# Altium PCB PCB2.PcbDoc (part 1 of 2)
Units mm, origin at the board's own origin, x right, y up, seen from the top; angles counter-clockwise.
Board outline 110 x 70 mm, 4 copper layers (Top Layer, Int1 (GND), Int2 (PWR), Bottom Layer), stack 1.586 mm thick; 125 components, 172 nets, 577 pads, 549 vias.
Unrouted connection lines stored in the file: 12.
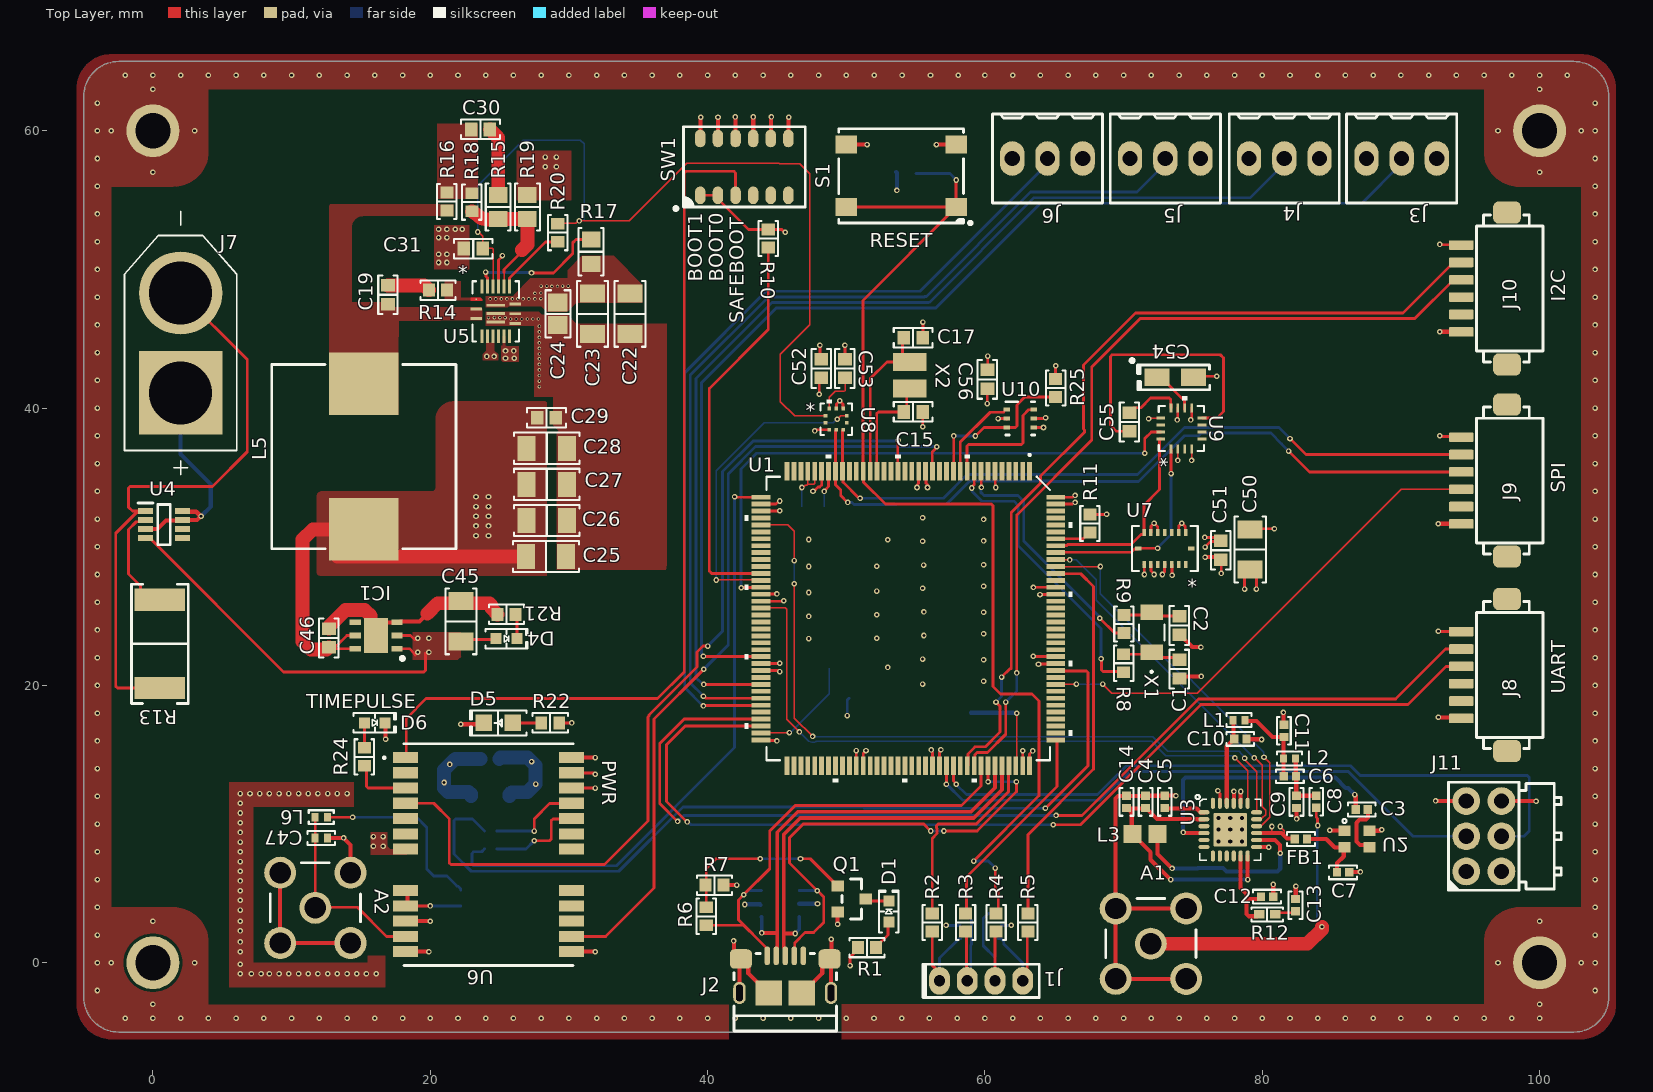
[diagram p0: Top Layer view]
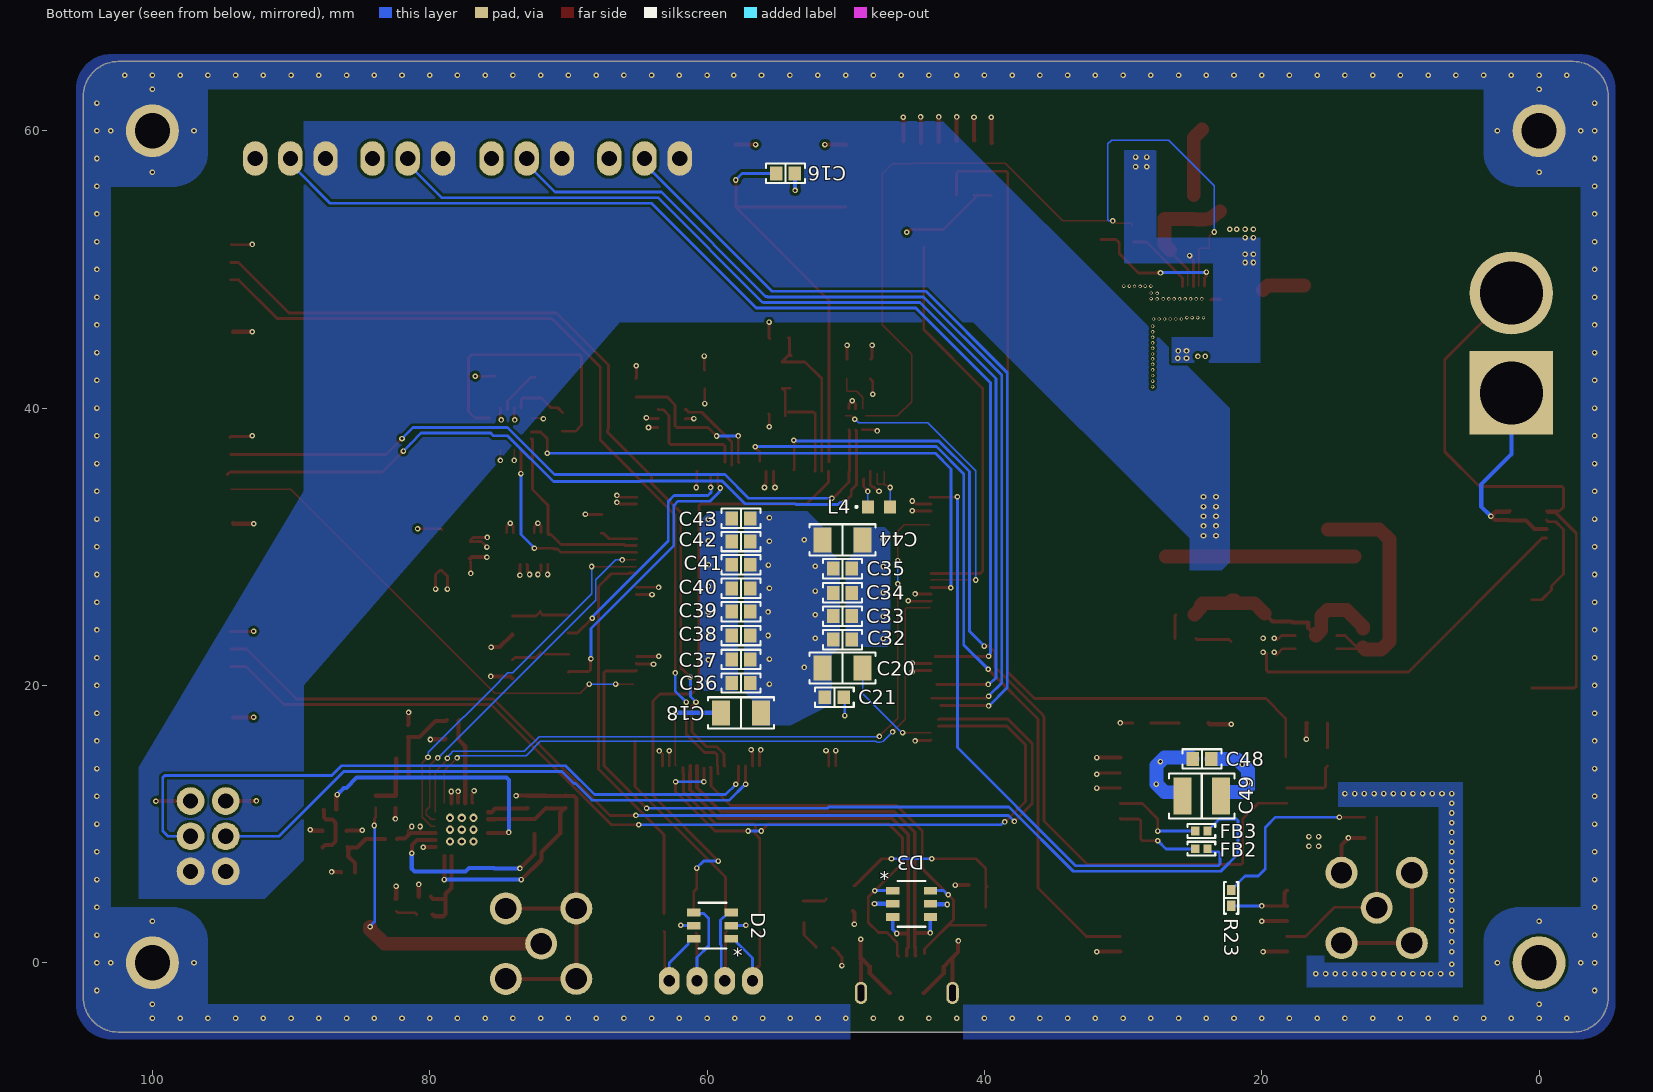
[diagram p1: Bottom Layer view, seen from below]
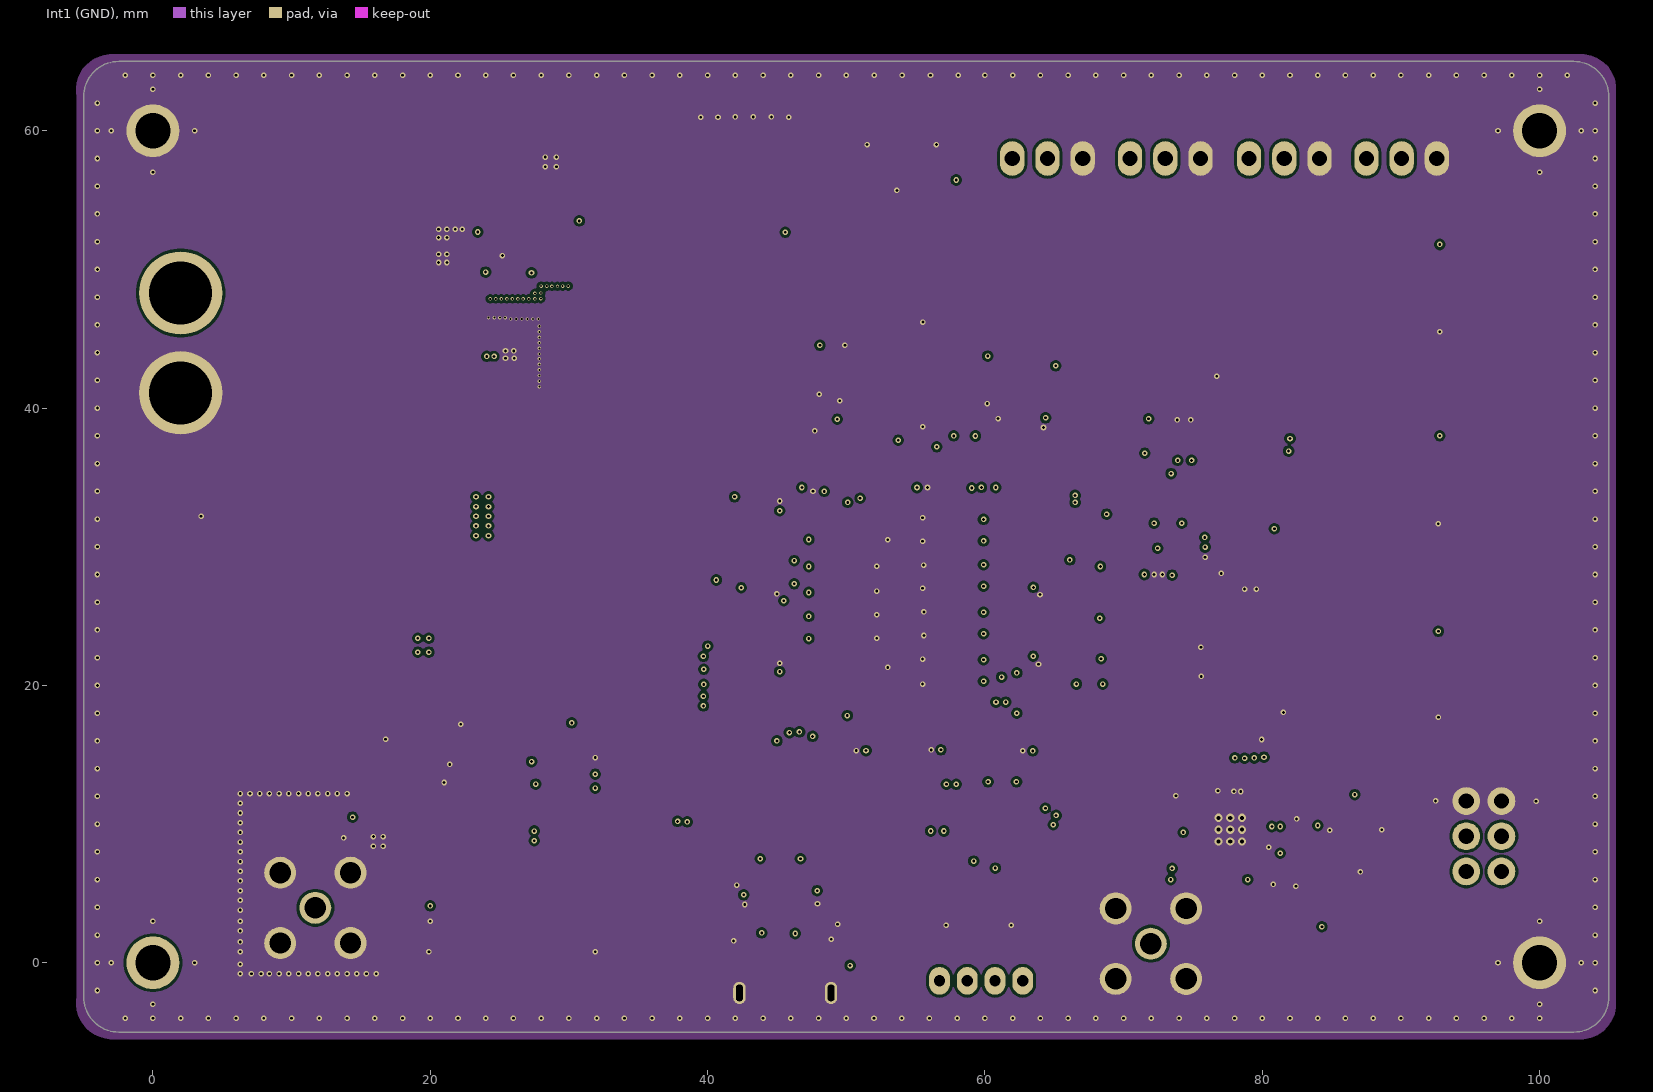
[diagram p2: Int1 (GND)]
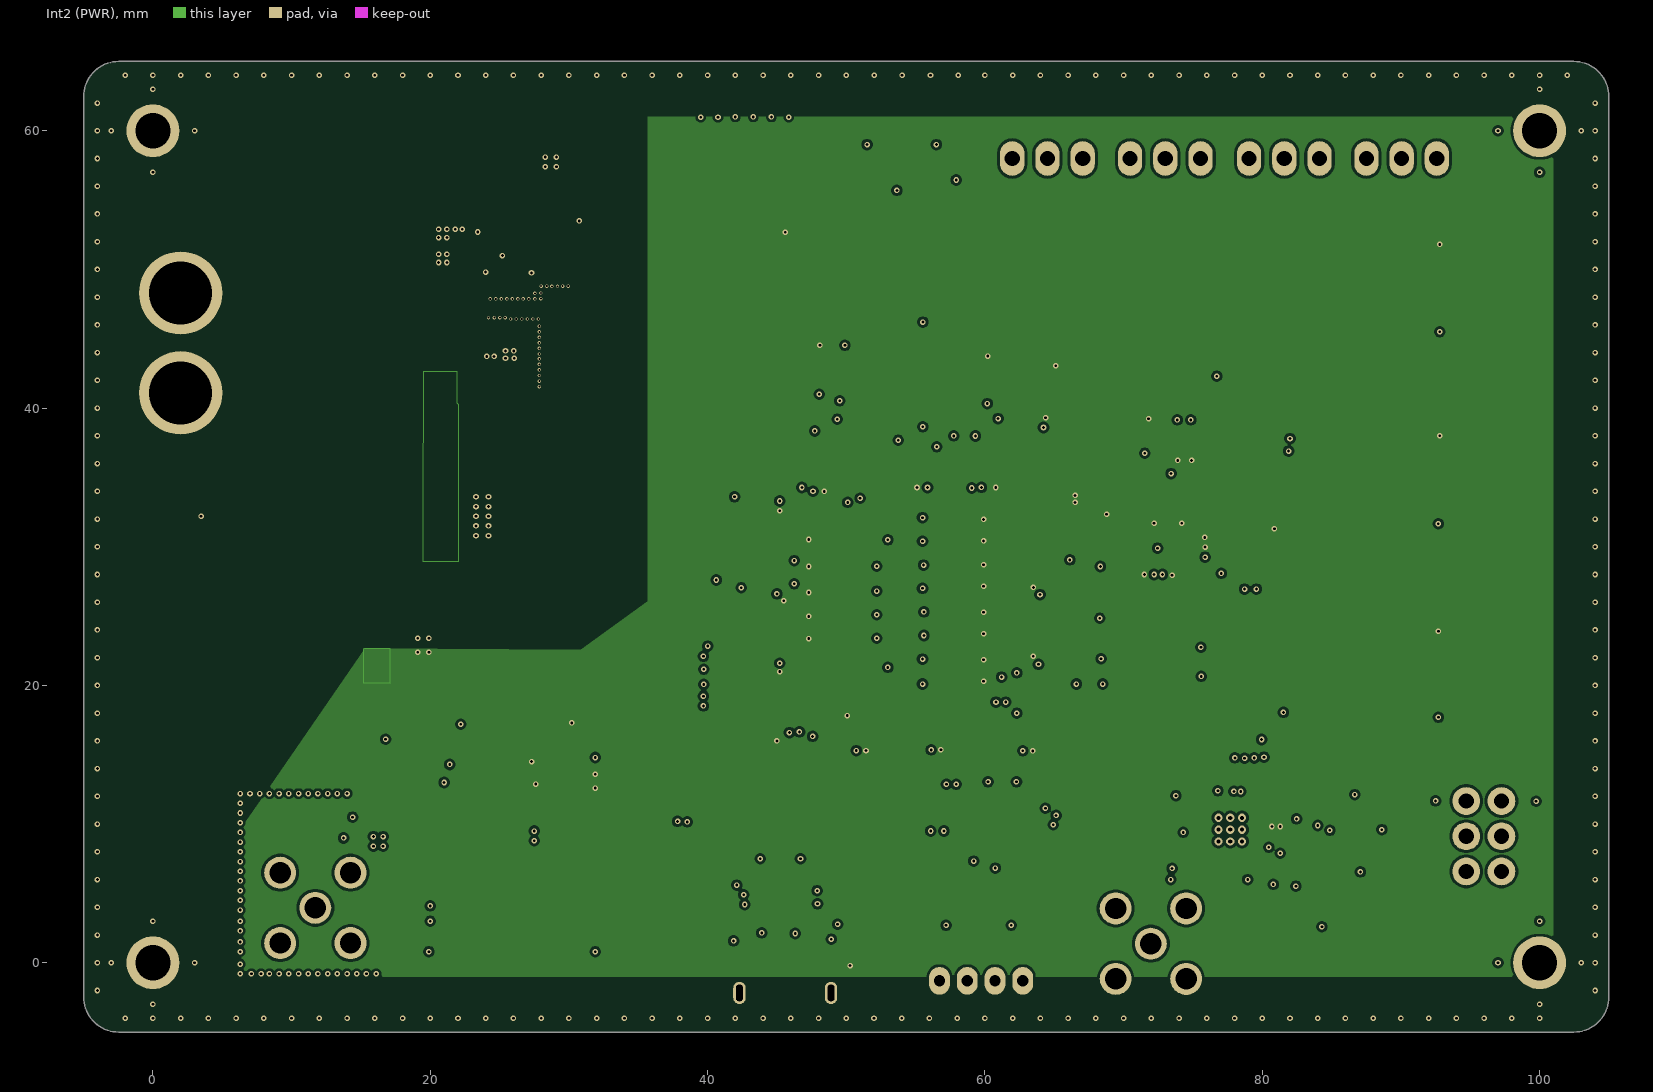
[diagram p3: Int2 (PWR)]
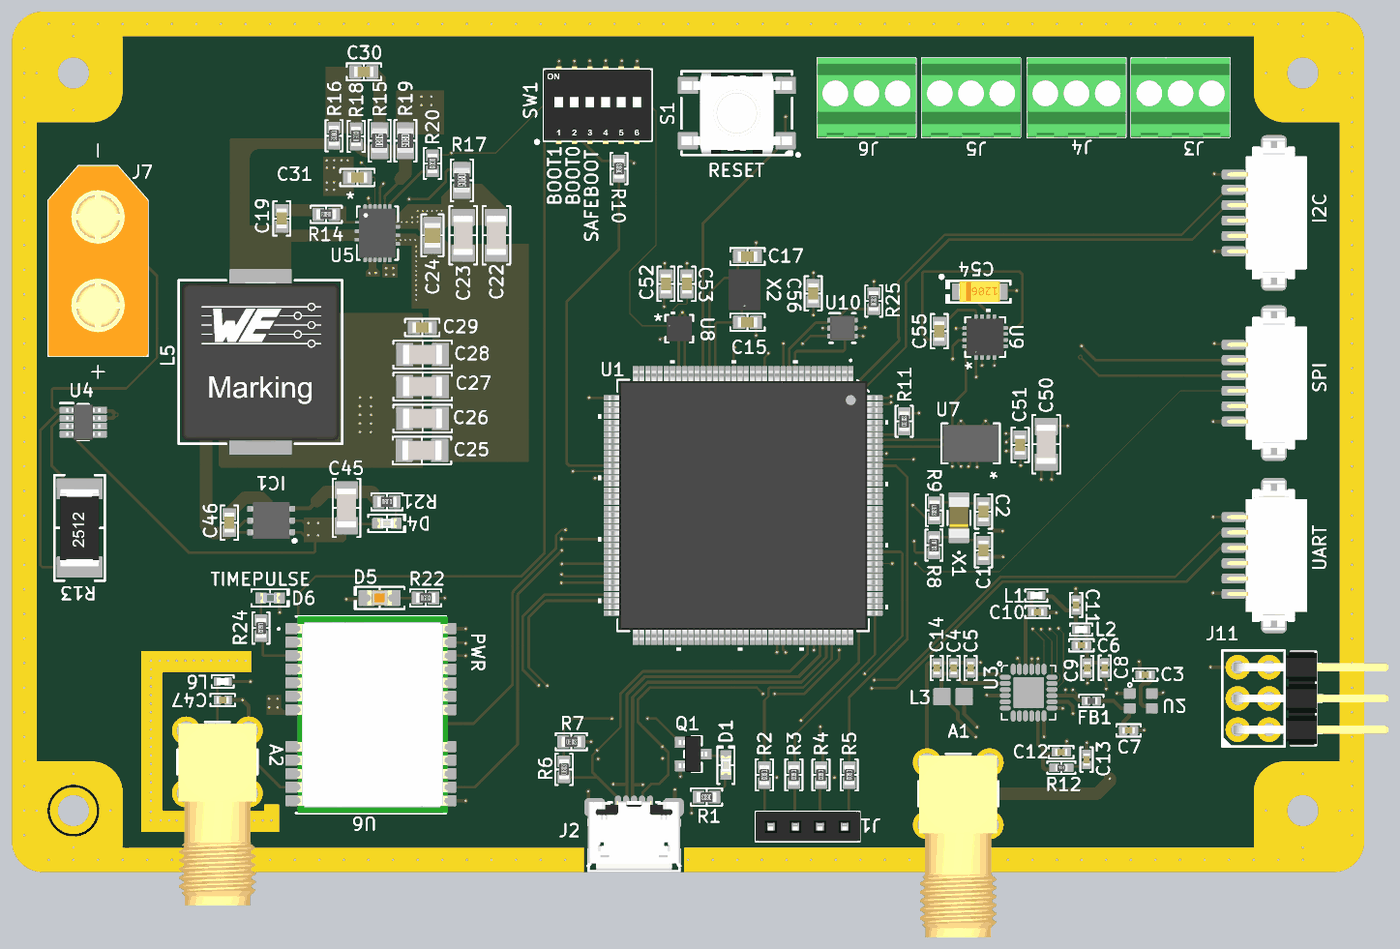
[diagram p5: 3D render of the assembled board from above, using the file's embedded part models]
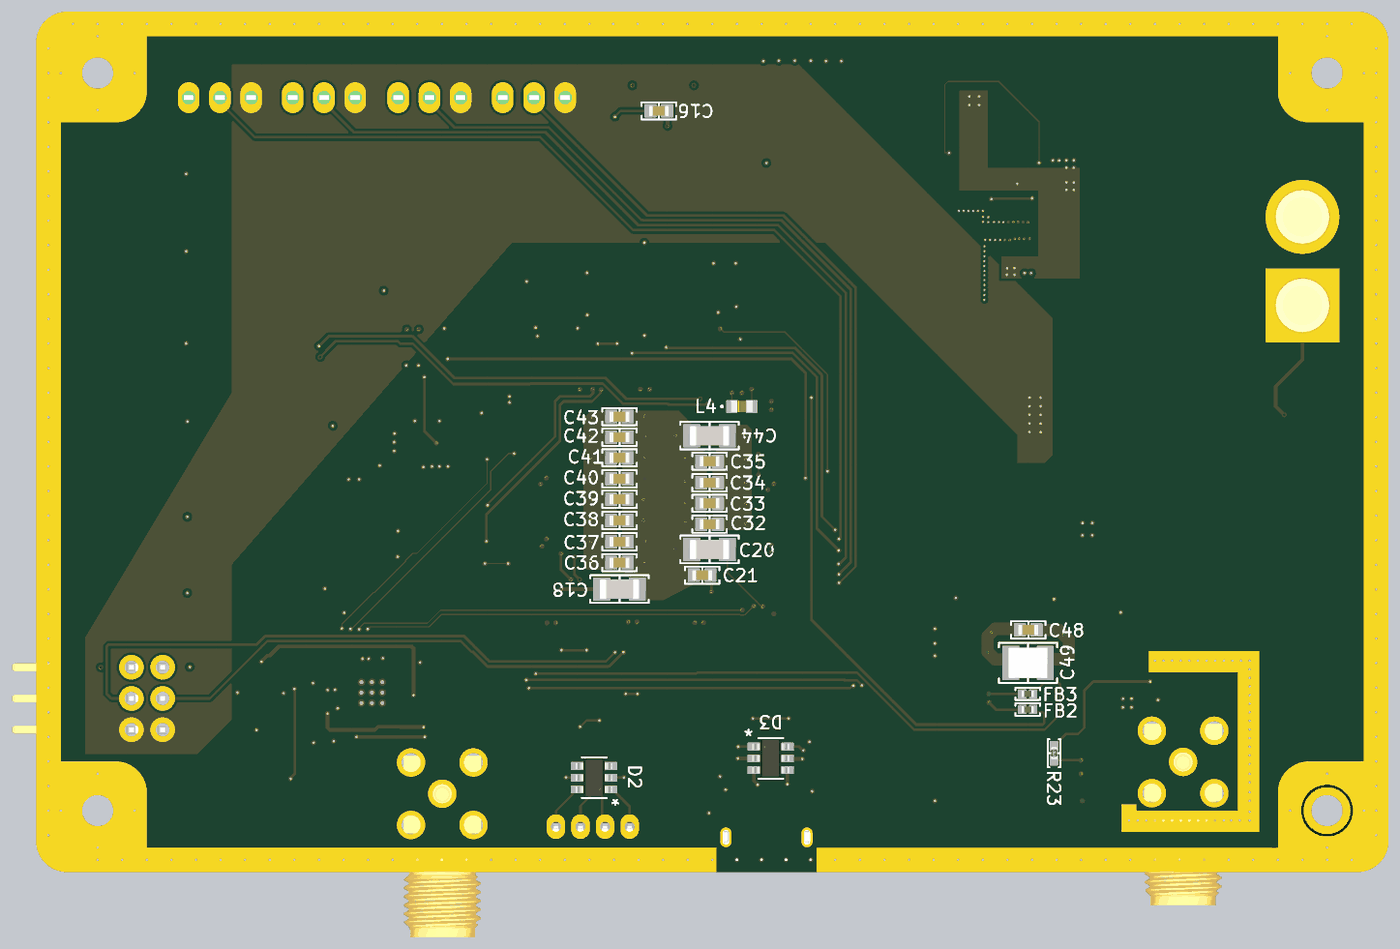
[diagram p6: 3D render of the assembled board from below, using the file's embedded part models]

## Layer stack, top to bottom
Top Solder: solder mask 0.0254, SM-001, Dk 4
Top Layer: signal copper 0.035
Dielectric 2: prepreg 0.2104, PP-017, Dk 4.6
Int1 (GND): signal copper 0.0152
Dielectric 3: core 1.065, Core-039, Dk 4.6
Int2 (PWR): signal copper 0.0152
Dielectric 4: prepreg 0.2104, PP-017, Dk 4.6
Bottom Layer: signal copper 0.035
Bottom Solder: solder mask 0.0254, SM-001, Dk 4

## Board outline
-5,62.46 cw(c-2.46,62.46) -2.46,65 102.46,65 cw(c102.46,62.46) 105,62.46 105,-2.46 cw(c102.46,-2.46) 102.46,-5 -2.46,-5 cw(c-2.46,-2.46) -5,-2.46

## Design rules (kind name [scope] priority, off if disabled: settings)
BoardOutlineClearance [InNet('GND')] p1: gap=0.2 ignorepadtopadclearanceinfootprint=FALSE except(-0.5: Poly-CutoutEdge; 0: Poly-OutlineEdge)
Clearance "Stitching GND" [IsStitchingVia and InNet('GND') vs (IsVia and (Not IsStitchingVia)) Or IsPad] p1: gap=1 ignorepadtopadclearanceinfootprint=FALSE
Clearance Clearance_Poly_to_Board_Cutout [InPoly AND InNet('GND') vs IsBoardOutline] p2: gap=0.5 ignorepadtopadclearanceinfootprint=FALSE except(-0.5: Poly-Region)
Clearance [All] p3: gap=0.2 ignorepadtopadclearanceinfootprint=FALSE except(0.127: SMDPad-SMDPad; 0.154: Arc-Via Track-Via; 0.18: Track-SMDPad; 0.254: Arc-Hole Track-Hole; 0.3: Via-Via; 0.5: THPad-THPad THPad-Hole)
DiffPairsRouting [All] p1: maxlimit=0.254 minlimit=0.203 mostfreqgap=0.254 toplayer_maxgap=0.203 toplayer_prefgap=0.203 toplayer_minwidth=0.261 toplayer_maxwidth=0.261 toplayer_prefwidth=0.261 bottomlayer_maxgap=0.203 bottomlayer_prefgap=0.203 bottomlayer_minwidth=0.261 bottomlayer_maxwidth=0.261 bottomlayer_prefwidth=0.261 impedanceprofiledriven=TRUE impedanceprofileid={9B42738C-F0D6-4B43-80A0-F69954CEF2DB} impedanceprofilevalue=90.000000 maxuncoupledlength=12.7
HoleSize [All] p1: absolutevalues=TRUE maxlimit=6.3 minlimit=0.2 maxpercent=80.000 minpercent=20.000
HoleToHoleClearance HoleToHoleClearance_1 [All] p1: gap=0.5 allowstackedmicrovias=TRUE
HoleToHoleClearance [InNet('GND') and InNet('REG_VIN') vs InNet('GND') and InNet('REG_VIN')] p2: gap=0.254 allowstackedmicrovias=TRUE
MinimumAnnularRing [All] p1: minimumring=0.05
MinimumSolderMaskSliver [All] p1: minsoldermaskwidth=0.1
PasteMaskExpansion [All] p1: expansion=0.05
PlaneClearance [All] p1: clearance=0.2
PlaneConnect [All] p1: planeconnectstyle=Direct reliefexpansion=0.1 reliefentries=4 reliefconductorwidth=0.2 reliefairgap=0.2
PolygonConnect [All] p1: connectstyle=Direct reliefconductorwidth=0.2 reliefentries=4 polygonreliefangle="90 Angle" airgapwidth=0.2
RoutingVias RoutingVias_microvia [All] p1: holewidth=0.2 width=0.4 viastyle="Through Hole" minholewidth=0.2 minwidth=0.4 maxholewidth=0.2 maxwidth=0.4
RoutingVias Routing_via_defaulr [All] p2: holewidth=0.2 width=0.4 viastyle="Through Hole" minholewidth=0.1 minwidth=0 maxholewidth=0.2 maxwidth=0.4
SilkToSilkClearance [All] p1: silktosilkclearance=0.15
SilkToSolderMaskClearance [IsPad] p1: minsilkscreentomaskgap=0.051 clearancetoexposedcopper=TRUE
SolderMaskExpansion SolderMaskExpansion_1 [IsPad] p1: expansion=0.05 istentingtop=FALSE
SolderMaskExpansion [IsVia] p2: expansion=0.05 istentingtop=TRUE
Width Width_stm32 [TouchesRoom('RoomDefinition_stm32')] p1: maxlimit=0.3 minlimit=0.2 preferedwidth=0.2
Width Width_Power [InNet('3.3V') or InNet('GND') or InNet('+5V')] p2: maxlimit=1 minlimit=0.199 preferedwidth=0.3
Width [All] p3: maxlimit=1 minlimit=0.1 preferedwidth=0.203
21 further rules are at their usual default settings.

## Classes and differential pairs
differential pair class diff90: D
net class VDD: +3V3 NetL4_2
net class MCU_Nets: +3V3 +5V BLDC1 BLDC2 BOOT0 BOOT1 CAN1_RX CAN1_TX D_N D_P ELEVATOR EXTINT FLAPS_SAG FLAPS_SOL GND LNA_EN MCU_NRST MCU_SWCLK MCU_SWDIO MCU_SWO NetC1_2 NetC2_2 NetD1_1 NetD1_2 NetQ1_1 NetU1_77 NetU1_78 NetU1_110 NetU8_2 NetU8_6 NRST PA0 PA1 PA2 PA4 PA5 PA6 PA7 PA8 PA9 PA10 PA15 PB0 PB1 PB4 PB5 PB6 PB7 PB8 PB9 PB10 PB11 PB13 PB14 PB15 PC0 PC1 PC2 PC3 PC4 PC5 PC8 PC9 PC10 PC11 PC12 PC13 PC14 PC15 PD2 PD3 PD4 PD6 PD7 PD8 PD9 PD10 PD11 PD12 PD13 PD14 PD15 PE0 PE1 PE2 PE3 PE4 PE5 PE6 PE7 PE8 PE10 PE12 PE15 PF0 PF1 PF2 PF3 PF4 PF6 PF7 PF9 PF10 PF11 PF12 PF13 PF14 PF15 PG0 PG1 PG2 PG3 PG4 PG5 PG6 PG7 PG8 PG9 PG10 PG11 PG12 PG13 PG14 PG15 RUDDER SAFEBOOT_N SWCLK SWDIO SWO USART2_RX USART2_TX
differential pair D: +D_P -D_N

## Components (designator, comment, footprint, x,y, rotation, side; value= is the part's Value field where it differs from the comment)
A1 "0731000114" "MOLEX SD-73100-0114" 71.968,1.375 r270 top
A2 "0731000114" "MOLEX SD-73100-0114" 11.71,3.96 r270 top
C1 "2.7 pF" "CAP 0603_1608" 74.025,21.175 r90 top
C2 "2.7 pF" "CAP 0603_1608" 74.025,24.325 r90 top
C3 "1000pF" "CAP 0402_1005"#1 87.175,11.05 r0 top
C4 "0.1 µF" "CAP 0402_1005"#1 71.593,11.6 r270 top
C5 "0.1 µF" "CAP 0402_1005"#1 72.968,11.6 r270 top
C6 "0.5pF" "CAP 0402_1005"#1 81.993,13.45 r0 top value="0.5 pF"
C7 "0.1µF" "CAP 0402_1005"#1 85.825,6.525 r180 top value="0.1 µF"
C8 "0.1µF" "CAP 0402_1005"#1 83.893,11.615 r90 top value="0.1 µF"
C9 "1.2 pF" "CAP 0402_1005"#1 82.468,11.6 r90 top
C10 "1.2 pF" "CAP 0402_1005"#1 78.418,16.15 r180 top value="0.8 pF"
C11 "0.8pF" "CAP 0402_1005"#1 81.557,16.725 r270 top value="1.2 pF"
C12 "0.1µF" "CAP 0402_1005"#1 80.345,4.763 r180 top value="0.1 µF"
C13 "0.1µF" "CAP 0402_1005"#1 82.405,4.153 r270 top value="0.1 µF"
C14 "0.47 µF" "CAP 0402_1005"#1 70.218,11.6 r270 top
C15 "4.3 pF" "CAP 0603_1608" 54.825,39.725 r180 top
C16 "0.1 µF" "CAP 0603_1608" 54.35,56.925 r0 bottom
C17 "4.3 pF" "CAP 0603_1608" 54.825,45.075 r180 top
C18 "2.2 µF" "CAP 1206_3216 - 0.8MM" 57.55,18.025 r180 bottom
C19 "0.22 µF" "CAP 0603_1608" 16.95,48.175 r270 top
C20 "2.2 µF" "CAP 1206_3216 - 0.8MM" 50.225,21.25 r0 bottom
C21 "1 µF" "CAP 0603_1608" 50.825,19.15 r180 bottom
C22 "22 µF" "CAP 1206_3216 - 0.8MM" 34.4,46.8 r90 top
C23 "22 µF" "CAP 1206_3216 - 0.8MM" 31.7,46.8 r90 top
C24 "0.1µF" "CAP 0805_2012" 29.2,46.8 r90 top value="0.1 µF"
C25 "22 µF" "CAP 1206_3216 - 0.8MM" 28.35,29.3 r180 top
C26 "22 µF" "CAP 1206_3216 - 0.8MM" 28.4,31.9 r180 top
C27 "22 µF" "CAP 1206_3216 - 0.8MM" 28.4,34.5 r180 top
C28 "22 µF" "CAP 1206_3216 - 0.8MM" 28.4,37.1 r180 top
C29 "2.2 µF" "CAP 0603_1608" 28.375,39.3 r180 top value="0.1 µF"
C30 "220 pF" "CAP 0603_1608" 23.625,60.1 r0 top
C31 "1 µF" "CAP 0603_1608" 23.1,51.5 r0 top
C32 "0.1 µF" "CAP 0603_1608" 50.225,23.3 r180 bottom
C33 "0.1 µF" "CAP 0603_1608" 50.225,25 r180 bottom
C34 "0.1 µF" "CAP 0603_1608" 50.225,26.675 r180 bottom
C35 "0.1 µF" "CAP 0603_1608" 50.225,28.425 r180 bottom
C36 "0.1 µF" "CAP 0603_1608" 57.55,20.175 r0 bottom
C37 "0.1 µF" "CAP 0603_1608" 57.55,21.875 r0 bottom
C38 "0.1 µF" "CAP 0603_1608" 57.55,23.6 r0 bottom
C39 "0.1 µF" "CAP 0603_1608" 57.55,25.325 r0 bottom
C40 "0.1 µF" "CAP 0603_1608" 57.55,27 r0 bottom
C41 "0.1 µF" "CAP 0603_1608" 57.55,28.7 r0 bottom
C42 "0.1 µF" "CAP 0603_1608" 57.55,30.375 r0 bottom
C43 "0.1 µF" "CAP 0603_1608" 57.55,32.05 r0 bottom
C44 "22µF" "CAP 1206_3216 - 1.8MM" 50.225,30.5 r180 bottom value="0.47 µF"
C45 "22µF" "CAP 1206_3216 - 1.8MM" 22.212,24.625 r270 top value="10 µF"
C46 "0.1 µF" "CAP 0603_1608" 12.687,23.425 r270 top value="10 µF"
C47 "0.1 µF" "CAP 0402_1005"#2 12.14,9 r0 top
C48 "0.1 µF" "CAP 0603_1608" 24.3,14.7 r0 bottom
C49 "10 µF" "CAP 1210_3225 - 1MM" 24.325,12.025 r0 bottom
C50 "22µF" "CAP 1206_3216 - 1.8MM" 79.131,29.8 r90 top value="0.1 µF"
C51 "0.1 µF" "CAP 0603_1608" 77.006,29.75 r90 top
C52 "220 pF" "CAP 0603_1608" 48.2,42.85 r90 top value="0.1 µF"
C53 "1 µF" "CAP 0603_1608" 49.9,42.85 r270 top value="0.1 µF"
C54 "4.7µF" "CAP POL 1206_3216" 73.715,42.225 r0 top
C55 "10000 pF" "CAP 0603_1608" 70.425,39 r90 top value="0.22 µF"
C56 "0.1 µF" "CAP 0603_1608" 60.175,42.075 r270 top
D1 "Green" "LED 0603_1608 GREEN" 53.075,3.7 r90 top
D2 "ESDA6V1BC6" SOT23-6L_STM 59.613,2.675 r0 bottom
D3 "ESDA6V1BC6" SOT23-6L_STM 45.25,4.25 r180 bottom
D4 "Green" "LED 0603_1608 GREEN" 25.5,23.375 r0 top
D5 "Red" "LED 0805_2012 RED" 24.9,17.3 r180 top
D6 "Blue" "LED 0603_1608 BLUE" 16,17.3 r0 top
FB1 "40 Ohms @ 100 MHz" "FER 0402_1005" 82.793,8.925 r0 top
FB2 "1 kOhms @ 100 MHz" "FER 0402_1005" 24.35,8.225 r0 bottom
FB3 "1 kOhms @ 100 MHz" "FER 0402_1005" 24.35,9.5 r0 bottom
IC1 "LD39200PU33R" SON95P300X300X100-7N-D 16.087,23.6 r180 top
J1 "NPPN041BFCN-RC" "SULLINS NPPN041BFCN" 59.725,-1.3 r0 top
J2 "10118193-0001LF" "FCI USB 10118193-0001LF" 45.6,-2.125 r180 top
J3 "282834-3" "TE 282834-3" 90.05,58 r0 top
J4 "282834-3" "TE 282834-3" 81.59,58 r0 top
J5 "282834-3" "TE 282834-3" 73.01,58 r0 top
J6 "282834-3" "TE 282834-3" 64.51,58 r0 top
J7 "XT60-M" AMASS_XT60-M 2,44.7 r90 top
J8 "DF13A-6P-1.25H(21)" "HIROSE DF13A-6P-1.25H" 97.75,20.75 r270 top
J9 "DF13A-6P-1.25H(21)" "HIROSE DF13A-6P-1.25H" 97.75,34.775 r270 top
J10 "DF13A-6P-1.25H(21)" "HIROSE DF13A-6P-1.25H" 97.75,48.625 r270 top
J11 "M20-9740346" "HARWIN M20-9740345" 95.98,9.125 r90 top
L1 "3 nH" "IND 0402_1005" 78.318,17.5 r0 top
L2 "3 nH" "IND 0402_1005" 81.968,14.725 r0 top
L3 "Inductor" rlc_805_smd 71.543,9.275 r0 top value=VAL?
L4 "BEAD" IND_FCM1608_TTC 47.603,32.875 r180 bottom value=100uH
L5 "2 µH" "WURTH WE-HCI 1365" 15.214,36.501 r0 top
L6 "27 nH" "IND 0402_1005" 12.14,10.5 r180 top
Q1 "MMBT5088LT1G" "ON SEMI SOT-23-3" 50.4,4.6 r0 top
R1 "330 Ohms" "RES 0603_1608" 51.5,1.1 r180 top
R2 "22 Ohms" "RES 0603_1608" 56.2,2.9 r270 top
R3 "22 Ohms" "RES 0603_1608" 58.6,2.9 r270 top
R4 "22 Ohms" "RES 0603_1608" 60.8,2.9 r270 top
R5 "22 Ohms" "RES 0603_1608" 63.1,2.9 r270 top
R6 "47 kOhms" "RES 0603_1608" 39.9,3.35 r90 top
R7 "22 kOhms" "RES 0603_1608" 40.5,5.6 r0 top
R8 "0 Ohms" "RES 0603_1608" 70,21.6 r270 top
R9 "0 Ohms" "RES 0603_1608" 70.025,24.425 r270 top
R10 "100 kOhms" "RES 0603_1608" 44.375,52.225 r90 top
R11 "10 kOhms" "RES 0603_1608" 67.575,31.675 r90 top
R12 "=Value" "RES 0402_1005" 80.355,3.487 r180 top
R13 "10 mOhms" "RES 2512_6432" 0.5,23 r90 top
R14 "4.7 Ohms" "RES 0603_1608" 20.563,48.507 r180 top
R15 "6.8 kOhms" "RES 0805_2012" 24.9,54.5 r90 top value="150 kOhms"
R16 "1 MOhms" "RES 0603_1608" 21.2,54.9 r270 top
R17 "1.3 kOhms" "RES 0805_2012" 31.6,51.275 r270 top value="499 kOhms"
R18 "499 Ohms" "RES 0603_1608" 23,54.85 r90 top
R19 "10 kOhms" "RES 0805_2012" 27,54.5 r270 top value="18.2 kOhms"
R20 "100 kOhms" "RES 0603_1608" 29.2,52.65 r270 top
R21 "160 kOhms" "RES 0603_1608" 25.5,25.125 r0 top value="240 Ohms"
R22 "1 kOhms" "RES 0603_1608" 28.65,17.3 r0 top
R23 "10 Ohms" "RES 0402_1005" 22.2,4.675 r90 bottom
R24 "100 Ohms" "RES 0603_1608" 15.25,14.85 r270 top
R25 "5 kOhms" "RES 0603_1608" 65.1,41.45 r90 top
S1 "B3S-1000P" "OMRON B3S-1000P" 53.95,56.7 r180 top
SW1 "218-6LPST" "CTS 218-6LPJ" 42.65,57.393 r90 top
U1 "MCU_LQFP144" LQFP144-20X20MM 54.475,24.825 r270 top locked
U2 "TCXO" "TCXO 2.0x1.6mm" 86.825,8.925 r0 top value=32.0MHz
U3 "SX1280" vqfn24_4x4mm 77.693,9.6 r0 top
U4 "INA219AIDCNR" SOP65P280X145-8N 0.8,31.6 r0 top
U5 "MP8758GL-Z" MP8758HGL-Z 24.725,46.975 r0 top
U6 "NEO-M8Q" NEO-M8U 24.2,7.8 r180 top
U7 "BMI088_2" QFN_BMI085_BOS 72.975,29.875 r180 top
U8 "BMP390L" BMP390L_BOS 49.275,39.2 r0 top
U9 "HMC5883L" LPCC16_HNW 74.161,38.525 r90 top
U10 "TMP117AIDRVR" DRV0006B 62.55,39.25 r0 top
X1 "NX3215SA-32.768KHZ-EXS00A-MU00525" XTAL_NX3215SA-32.768KHZ-EXS00A-MU00525_NDK 72.025,23.825 r90 top
X2 "NX3225GD-8.000M-EXS00A-CG04874[N/A]" XTAL_NX3225GD_NDK 54.575,42.378 r90 top
